# Altium PCB FPGA_SHIELD_MARK1_RA1_2.PcbDoc (part 1 of 4) (continued)
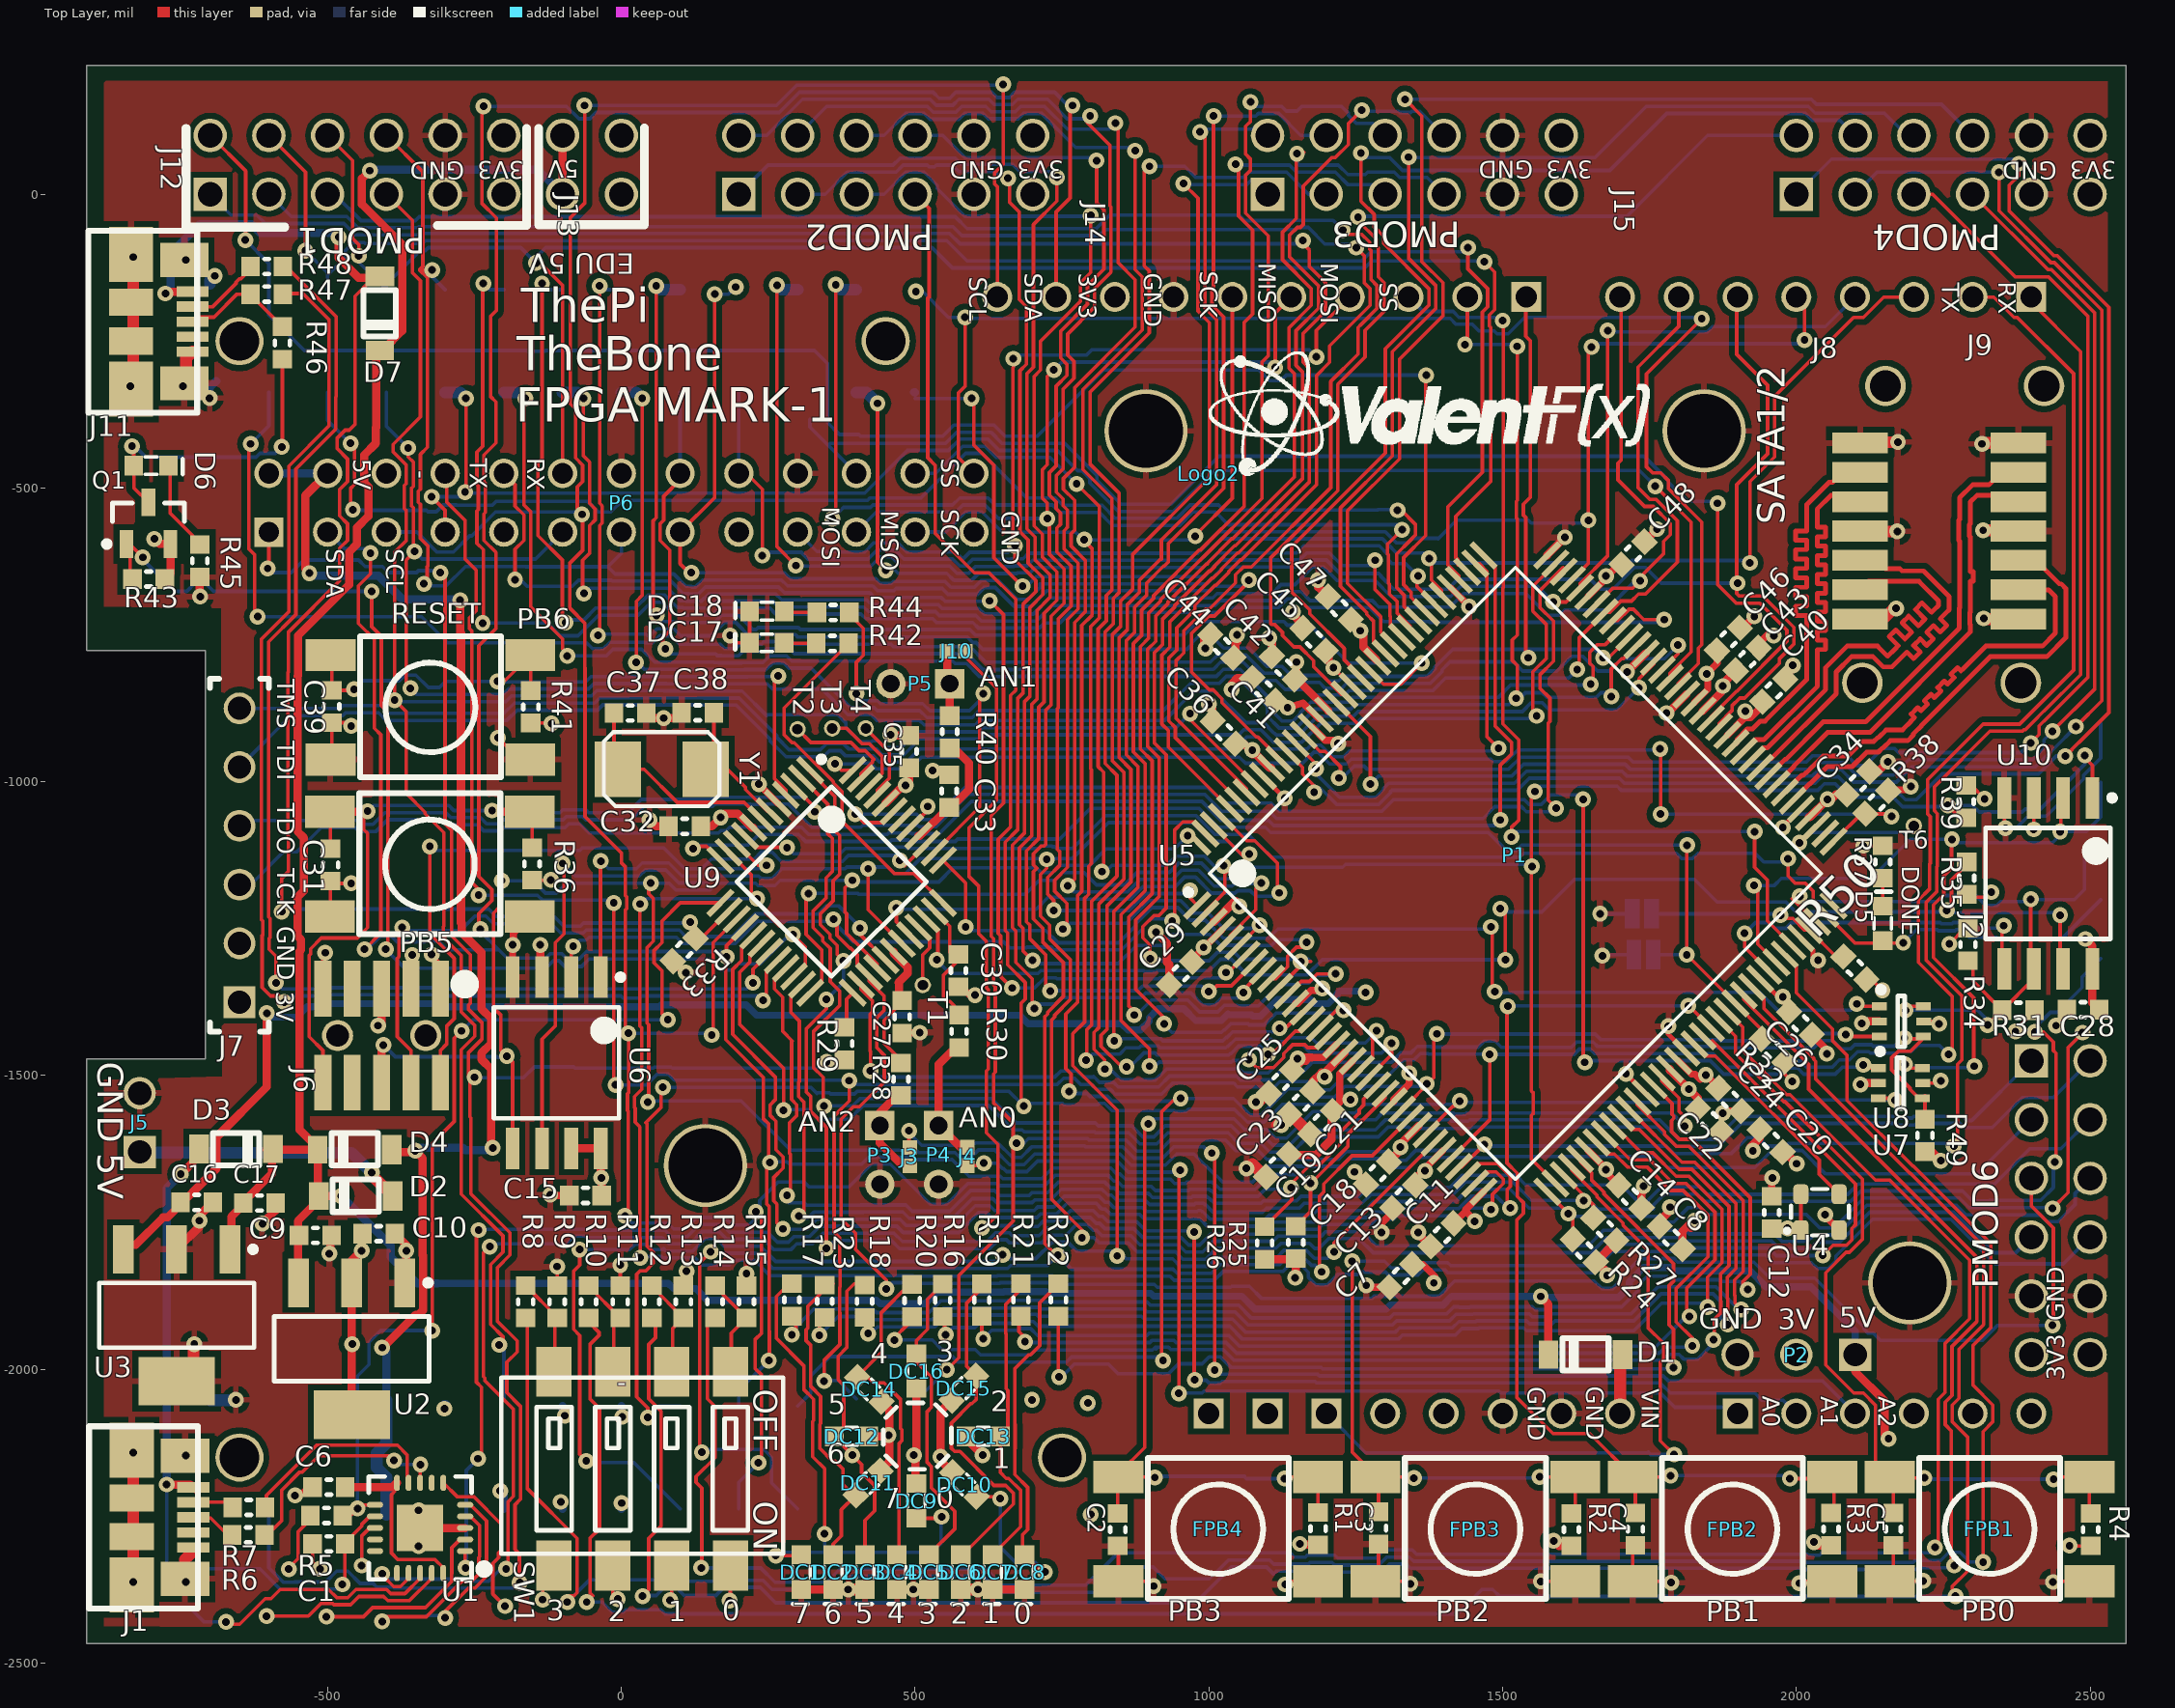
[diagram p0: Top Layer view]
## Footprints (in the part's own frame and the unit in brackets; to place one, negate y for a bottom-side part, rotate by r counter-clockwise, add the part's x,y. Pads: shape width x height; smd on the part's side, far side on the other; paste and mask are expansions set on the pad) (continued)
SOLDER_JUMPER [mil]
  round 50 smd: 1(0,0) 2(58,0)
  Top Layer region: 32.95,25 57.95,25 57.95,-25 32.95,-25
  Top Layer region: -0.05,25 24.95,25 24.95,-25 -0.05,-25
"SOLDER_JUMPER SMALL 2" [mil] "SOLDER_JUMPER"
  rect 25x25 smd: 1(0,15.5) 2(0,-15.5)
SOT223 [mm] "SOT223, 4-Leads, Body 6.7x7.3mm (max), Pitch 2.30mm, IPC High Density"
  rect 2.1x0.9 smd: 1(-2.85,2.3) 2(-2.85,0) 3(-2.85,-2.3)
  rect 2.1x3.3 smd: 4(2.85,0)
  silkscreen extent -2.97,-3.35 1.4,3.43, body extent -3.54,-3.35 3.76,3.35, height 1.75
SOT-23 [mm] "SOT-23"
  rect 1.2x0.6 smd: 1(-0.9,0.95) 2(-0.9,-0.95) 3(0.9,0)
  silkscreen extent -1.02,-1.55 0.87,1.92, body extent -1.27,-1.5 1.23,1.5, height 1.07
"tp 18-28" [mil]
  round 28 hole 18: 1(0,0)
TQ144_L [mm] "Thin QFP, 144-Leads, Body 20x20mm, Pitch 0.5mm, IPC High Density"
  rect 1.5x0.25 smd: 1(-10.7,8.75) 2(-10.7,8.25) 3(-10.7,7.75) 4(-10.7,7.25) 5(-10.7,6.75) 6(-10.7,6.25) 7(-10.7,5.75) 8(-10.7,5.25) 9(-10.7,4.75) 10(-10.7,4.25) 11(-10.7,3.75) 12(-10.7,3.25) 13(-10.7,2.75) 14(-10.7,2.25) 15(-10.7,1.75) 16(-10.7,1.25) 17(-10.7,0.75) 18(-10.7,0.25) 19(-10.7,-0.25) 20(-10.7,-0.75) 21(-10.7,-1.25) 22(-10.7,-1.75) 23(-10.7,-2.25) 24(-10.7,-2.75) 25(-10.7,-3.25) 26(-10.7,-3.75) 27(-10.7,-4.25) 28(-10.7,-4.75) 29(-10.7,-5.25) 30(-10.7,-5.75) 31(-10.7,-6.25) 32(-10.7,-6.75) 33(-10.7,-7.25) 34(-10.7,-7.75) 35(-10.7,-8.25) 36(-10.7,-8.75) 73(10.7,-8.75) 74(10.7,-8.25) 75(10.7,-7.75) 76(10.7,-7.25) 77(10.7,-6.75) 78(10.7,-6.25) 79(10.7,-5.75) 80(10.7,-5.25) 81(10.7,-4.75) 82(10.7,-4.25) 83(10.7,-3.75) 84(10.7,-3.25) 85(10.7,-2.75) 86(10.7,-2.25) 87(10.7,-1.75) 88(10.7,-1.25) 89(10.7,-0.75) 90(10.7,-0.25) 91(10.7,0.25) 92(10.7,0.75) 93(10.7,1.25) 94(10.7,1.75) 95(10.7,2.25) 96(10.7,2.75) 97(10.7,3.25) 98(10.7,3.75) 99(10.7,4.25) 100(10.7,4.75) 101(10.7,5.25) 102(10.7,5.75) 103(10.7,6.25) 104(10.7,6.75) 105(10.7,7.25) 106(10.7,7.75) 107(10.7,8.25) 108(10.7,8.75)
  rect 0.25x1.5 smd: 37(-8.75,-10.7) 38(-8.25,-10.7) 39(-7.75,-10.7) 40(-7.25,-10.7) 41(-6.75,-10.7) 42(-6.25,-10.7) 43(-5.75,-10.7) 44(-5.25,-10.7) 45(-4.75,-10.7) 46(-4.25,-10.7) 47(-3.75,-10.7) 48(-3.25,-10.7) 49(-2.75,-10.7) 50(-2.25,-10.7) 51(-1.75,-10.7) 52(-1.25,-10.7) 53(-0.75,-10.7) 54(-0.25,-10.7) 55(0.25,-10.7) 56(0.75,-10.7) 57(1.25,-10.7) 58(1.75,-10.7) 59(2.25,-10.7) 60(2.75,-10.7) 61(3.25,-10.7) 62(3.75,-10.7) 63(4.25,-10.7) 64(4.75,-10.7) 65(5.25,-10.7) 66(5.75,-10.7) 67(6.25,-10.7) 68(6.75,-10.7) 69(7.25,-10.7) 70(7.75,-10.7) 71(8.25,-10.7) 72(8.75,-10.7) 109(8.75,10.7) 110(8.25,10.7) 111(7.75,10.7) 112(7.25,10.7) 113(6.75,10.7) 114(6.25,10.7) 115(5.75,10.7) 116(5.25,10.7) 117(4.75,10.7) 118(4.25,10.7) 119(3.75,10.7) 120(3.25,10.7) 121(2.75,10.7) 122(2.25,10.7) 123(1.75,10.7) 124(1.25,10.7) 125(0.75,10.7) 126(0.25,10.7) 127(-0.25,10.7) 128(-0.75,10.7) 129(-1.25,10.7) 130(-1.75,10.7) 131(-2.25,10.7) 132(-2.75,10.7) 133(-3.25,10.7) 134(-3.75,10.7) 135(-4.25,10.7) 136(-4.75,10.7) 137(-5.25,10.7) 138(-5.75,10.7) 139(-6.25,10.7) 140(-6.75,10.7) 141(-7.25,10.7) 142(-7.75,10.7) 143(-8.25,10.7) 144(-8.75,10.7)
  silkscreen extent -10.7,-9.35 9.35,9.55, body extent -11.01,-11.01 11.02,11.02, height 1.6
"TSM-113-01-F-DV_TH - SHRUNK" [mil]
  rect 50x105 smd: 1(-600,97.5) 2(-600,-97.5) 3(-500,97.5) 4(-500,-97.5) 23(500,97.5) 24(500,-97.5) 25(600,97.5) 26(600,-97.5)
  rect 50x125 smd: 5(-400,87.5) 6(-400,-87.5) 7(-300,87.5) 8(-300,-87.5) 9(-200,87.5) 10(-200,-87.5) 11(-100,87.5) 12(-100,-87.5) 13(0,87.5) 14(0,-87.5) 15(100,87.5) 16(100,-87.5) 17(200,87.5) 18(200,-87.5) 19(300,87.5) 20(300,-87.5) 21(400,87.5) 22(400,-87.5)
  round 82 hole 67: x(-550,0) x(550,0)
  silkscreen extent -677,-98 650,136, body extent -650,-145 650,145, height 380
"TSM-116-01-F-DV_TH - SHRUNK" [mil] "Samtec"
  rect 50x105 smd: 1(-750,97.5) 2(-750,-97.5) 3(-650,97.5) 4(-650,-97.5) 29(650,97.5) 30(650,-97.5) 31(750,97.5) 32(750,-97.5)
  rect 50x125 smd: 5(-550,87.5) 6(-550,-87.5) 7(-450,87.5) 8(-450,-87.5) 9(-350,87.5) 10(-350,-87.5) 11(-250,87.5) 12(-250,-87.5) 13(-150,87.5) 14(-150,-87.5) 15(-50,87.5) 16(-50,-87.5) 17(50,87.5) 18(50,-87.5) 19(150,87.5) 20(150,-87.5) 21(250,87.5) 22(250,-87.5) 23(350,90) 24(350,-90) 25(450,90) 26(450,-90) 27(550,90) 28(550,-90)
  round 82 hole 67: x(-700,0) x(700,0)
  silkscreen extent -822,-98 800,141, body extent -800,-145 800,145, height 380
TSQFP50P900X900X145-48L [mm] "TSQFP, 48-Leads, Body 9.1x9.1mm (max), Pitch 0.50mm, IPC High Density"
  rect 1.5x0.25 smd: 1(-4.05,2.75) 2(-4.05,2.25) 3(-4.05,1.75) 4(-4.05,1.25) 5(-4.05,0.75) 6(-4.05,0.25) 7(-4.05,-0.25) 8(-4.05,-0.75) 9(-4.05,-1.25) 10(-4.05,-1.75) 11(-4.05,-2.25) 12(-4.05,-2.75) 25(4.05,-2.75) 26(4.05,-2.25) 27(4.05,-1.75) 28(4.05,-1.25) 29(4.05,-0.75) 30(4.05,-0.25) 31(4.05,0.25) 32(4.05,0.75) 33(4.05,1.25) 34(4.05,1.75) 35(4.05,2.25) 36(4.05,2.75)
  rect 0.25x1.5 smd: 13(-2.75,-4.05) 14(-2.25,-4.05) 15(-1.75,-4.05) 16(-1.25,-4.05) 17(-0.75,-4.05) 18(-0.25,-4.05) 19(0.25,-4.05) 20(0.75,-4.05) 21(1.25,-4.05) 22(1.75,-4.05) 23(2.25,-4.05) 24(2.75,-4.05) 37(2.75,4.05) 38(2.25,4.05) 39(1.75,4.05) 40(1.25,4.05) 41(0.75,4.05) 42(0.25,4.05) 43(-0.25,4.05) 44(-0.75,4.05) 45(-1.25,4.05) 46(-1.75,4.05) 47(-2.25,4.05) 48(-2.75,4.05)
  silkscreen extent -4.17,-2.9 2.9,3.55, body extent -4.5,-4.5 4.5,4.5, height 1.4
"USB - 47346-0001" [mm]
  rect 0.45x1.38 smd: 1(-1.3,1.33) 2(-0.65,1.33) 3(0,1.33) 4(0.65,1.33) 5(1.3,1.33)
  rect 2.375x1.9 smd: 5(-2.913,-1.33) 5(2.913,-1.33)
  rect 1.475x2.1 smd: 5(-2.662,0.97) 5(2.662,0.97)
  rect 1.175x1.9 smd: 5(-0.837,-1.33) 5(0.837,-1.33)
  silkscreen extent -3.94,-3.18 3.94,1.52, body extent -3.99,-3.92 3.99,1.51, height 2.72
ValentFX_750 [mil]
  silkscreen extent 0,-3 750,207
ValentFX_1000 [mil]
  silkscreen extent -25,-28 975,252

## Part data
C1 C2 C3 C4 C5 C6 C9 C12 C15 C17 C27 C28 C30 C31 C32 C33 C35 C39: library part GRM188R71H104KA93D, "CAP CER .1UF 50V 10% X7R 0603"
C7 C8 C10 C11 C16 C18 C19 C20 C21 C22 C24 C29 C36 C43 C44 C48: library part GRM188R60J475KE19D, "CAP CER 4.7UF 6.3V X5R 0603"
C13 C14 C23 C25 C26 C34 C40 C41 C42 C45 C46 C47: library part GCM188R71E474KA64D, "CAP CER .47UF 25V X7R 0603"
C37 C38: library part GRM1885C1H180JA01D, "CAP CER 18PF 50V 5% C0G 0603"
D1 D2 D3 D4 D7: "DIODE SCHOTTKY 25V 1A SOD123"
D5 D6 DC1 DC2 DC3 DC4 DC5 DC6 DC7 DC8 DC9 DC10 DC11 DC12 DC13 DC14 DC15 DC16 DC17 DC18: library part APT1608CGCK, "LED 1.6X0.8MM 570NM GRN CLR SMD"
FPB1 FPB2 FPB3 FPB4 PB5 PB6: library part FSM4JSMATR, "SWITCH TACTILE SPST-NO 0.05A 12V"
J1 J11: library part "USB - 0473460001", "Micro B CONN RCPT 5POS MICRO B USB R/A"
J2 J13 J14 J15: library part "P-MOD - SSQ-106-02-G-D-RA-005", "SAMTEC - SSQ-106-02-G-D-RA-005 - 2MM SOCKET STRIPS"
J3 J4 J10 J16 J17: "Solder/Configuration Jumper"
J5 P3 P4 P5: library part Header2, "Header 2 pin"
J6: library part "Cortex SWD  Connector", "Cortex SWD Connector"
J7: library part "JTAG - Digilent HS1", "DIGILENT - 410-205 - PROGRAMMING CABLE, JTAG HS1, USB2"
J8 J9: library part "SATA - 67800-5005", "I/O Connectors 7Ckt Vert Signal Hdr SMT w/ locking latch"
J12: library part "P-MOD - SSQ-108-02-G-D-RA-005", "SAMTEC - SSQ-108-02-G-D-RA-005 - 2MM SOCKET STRIPS"
P1: library part "Arduino Shield", "Arduino Duem Header"
P2: "Header  pin"
P7 P9: "Header 6 pin"
Q1: "MOSFET P-CH 30V 900MA SSOT3"
R1 R2 R3 R4 R8 R9 R10 R11 R12 R13 R14 R15: library part "R0603 - CRCW06034K70FKEA", "4.7k Thick Film Resistors - SMD 1/10watt 4.7Kohms 1%"
R5 R24 R25 R26 R27 R28 R29 R30 R32 R33 R35 R36 R38 R39 R40 R41 R43 R49 R50: library part ERJ-3EKF1002V, "RES 10.0K OHM 1/10W 1% 0603 SMD"
R6 R7 R47 R48: library part ERJ-3EKF33R0V, "RES 33.0 OHM 1/10W 1% 0603 SMD"
R16 R17 R18 R19 R20 R21 R22 R23 R37 R42 R44 R45: library part ERJ-3EKF2000V, "RES 200 OHM 1/10W 1% 0603 SMD"
R31 R34: library part "R0603 - CRCW0603100RFKEA", "100 ohms 1% Thick Film Resistors - SMD 1/10watt"
R46: library part ERJ-3EKF1501V, "RES 1.50K OHM 1/10W 1% 0603 SMD"
SW1: library part "DIP SW - 219-4LPST", "SWITCH TAPE SEAL 4 POS SMD"
T1 T2 T3 T4 T6: library part "Test Point 2", "Test Point Smaller Symbol"
U1: library part "USB - FT231XQ-R", "IC USB SERIAL FULL UART QFN-20 ftdi"
U2: "IC REG LDO 3.3V 950MA SOT-223"
U3: "IC LDO REG 1A 1.2V SOT223-3"
U4: "OSC MEMS 50.000 MHZ SMD"
U5: "IC FPAG SPARTAN 6 9K 144TQFP"
U6 U10: library part M25PE16-VMW6TG, "IC FLASH 16MBIT 75MHZ 8SOIC"
U7 U8: library part "MUX - SN74AUP1T157DCKR", "IC BUFF/MUX SCHMITT-TRIG SC70-6"
U9: "IC MCU 32BIT 32KB FLASH 48LQFP"
Y1: library part ABM3-12.000MHZ-B2-T, "CRYSTAL 12.000MHZ 18PF SMD"

## Free pads (board coordinates)
  round 141.73 hole 125.98: M3(2193.01,-1852.99) M4(143.01,-1652.99) M5(893.01,-402.99) M6(1843.01,-402.99)

## Via types
v1: diameter 27, hole 13, Top Layer to Bottom Layer, 574 vias
v2: diameter 27, hole 13, Top Layer to Bottom Layer, tented both sides, 17 vias

## Nets (pads, with @x,y where several pads share a name; then routed paths per layer and width w, separated by ;. In a path a pad name is that pad's centre, name@x,y a point inside that pad or via, vN(x,y) a via of type N, cw(c..) or ccw(c..) an arc to the next point about the centre after c; other vN are vias at no path point)
1V2: C16.2 C18.2 C22.2 C23.2 C42.2 C43.2 U3.3 U5.19 U5.28 U5.52 U5.89 U5.128 | length 3714.8
  Top Layer w14: U3.3@-844,-1788 -826.64,-1788 -780.1,-1741.46 -772.46,-1741.46 -689.26,-1658.26 -689.26,-1604.76 -603.5,-1519 v1(-603.5,-1393.83) ; v1(1148.98,-796.39) 1148.98,-823 C42.2@1146.49,-825.49 1149.81,-825.49 U5.128@1203.25,-878.92 ; C23.2@1176.49,-1526.51 1176.49,-1510.24 1191.73,-1495 v1@1194.73,-1498 ; v1(1197,-1502) 1197,-1500.27 v1@1194.73,-1498 ; U5.19@1231.08,-1460.84 1231.08,-1461.64 v1@1194.73,-1498 ; C18.2@1306.49,-1646.51 1326,-1627 v1@1326,-1616.47 ; v1(1326,-1622) v1@1326,-1616.47 ; U5.28@1356.36,-1586.11 v1@1326,-1616.47 ; U5.52@1785.08,-1488.67 1785.08,-1491.17 v1(1817,-1523.09) 1832.51,-1538.6 C22.2@1832.51,-1556.51 ; U5.89@1840.76,-879 1873,-846.76 v1@1873,-837.25 ; v1@1873,-837 v1@1873,-834.95 ; v1(1875,-837) 1873.25,-837 v1@1873,-837.25 ; C43.2@1897.04,-810.91 v1@1873,-834.95 ; v1@1873,-837.25 v1@1873,-834.95
  VDD w20: v1(1148.98,-796.39) 1148.98,-820.7 1197,-868.72 1218.06,-868.72 1272.84,-923.5 ; v1(1197,-1502) 1235.86,-1463.14 1235.86,-1426.76 1269.71,-1392.91 ; v1(1326,-1622) 1397.5,-1550.5 1397.5,-1531.09 1410.83,-1517.76 1410.83,-1490.61 ; 1739.57,-1447.5 1741.41,-1447.5 v1(1817,-1523.09) ; 1800.41,-953.94 1800.41,-920.21 1875,-845.63 v1(1875,-837)
  Bottom Layer w12: v1(-603.5,-1393.83) -596.83,-1400.5 -552.5,-1400.5 -535,-1383 -505.42,-1383 -499.92,-1377.5 -316.08,-1377.5 -310.47,-1383.12 64.82,-1383.12 68.44,-1379.5 212.44,-1379.5 230.44,-1397.5 678.44,-1397.5 692.44,-1411.5 851.44,-1411.5 862.44,-1422.5 883.56,-1422.5 898.5,-1407.56 898.5,-1401.44 913.44,-1386.5 957.5,-1386.5 977.5,-1406.5 1021.56,-1406.5 1032.66,-1395.39 1033.77,-1396.5 1072.64,-1396.5 1075,-1398.86 1088.07,-1398.86 1116.43,-1370.5 1173.07,-1370.5 1180.07,-1377.5 1203.56,-1377.5 1218.5,-1362.56 1218.5,-1360.56 1222.83,-1356.24 1269.32,-1356.24 1267.06,-1358.5 v1(1267,-1358.5)
  Bottom Layer w14: v1@1268,-1353.37 v1@1273.63,-1359
3V3: C7.2 C8.2 C10.2 C11.2 C12.2 C13.2 C14.2 C15.2 C19.2 C20.2 C21.2 C24.2 C25.2 C26.2 C28.1 C29.2 C32.2 C34.2 C35.2 C36.2 C40.2 C41.2 C44.2 C45.2 C46.2 C47.2 C48.2 J2.6 J2.12 J6.1 J7.1 J12.6 J12.12 J13.6 J13.12 J14.6 J14.12 J15.6 J15.12 P1.A2 P1.D8 P2.2 Q1.2 R1.1 R2.1 R3.1 R4.1 R5.1 R24.2 R25.2 R26.2 R27.2 R31.1 R32.1 R35.2 R36.1 R39.2 R41.1 R43.2 R49.1 R50.1 SW1.B1 SW1.B2 SW1.B3 SW1.B4 U2.2 U2.4 U4.1 U4.4 U5.4 U5.18 U5.20 U5.31 U5.36 U5.42 U5.53 U5.63 U5.76 U5.86 U5.90 U5.103 U5.122 U5.125 U5.129 U5.135 U6.3 U6.7 U6.8 U7.5 U8.5 U9.8 U9.44 U10.3 U10.8 | length 4110.2
  Top Layer w6: v1@-567,-2339 v1(-566,-2340) -566,-2338 -550.31,-2322.31 -550.31,-2276.6 -525.56,-2251.85 R5.1@-525.56,-2248.78 ; v1@-319.5,-1289 -323,-1292.5 v1(-323,-1293.86) -308,-1308.86 J6.1@-308,-1352 ; R41.1@-154,-900 -120,-900 v1(-119,-901) ; R36.1@-152,-1167.56 -120.56,-1167.56 v1(-120,-1167) ; v1(-134,-2392) -134,-2353.5 SW1.B4@-114.5,-2334 ; SW1.B3@-14.5,-2334 -14.5,-2382.56 v1(-6.06,-2391) ; v1(83,-2393) 85.5,-2390.5 SW1.B2@85.5,-2334 ; v1(184,-2393.55) 185.5,-2392.05 SW1.B1@185.5,-2334 ; v2(1212,-806) 1243.25,-837.25 U5.125@1245,-837.25 ; R32.1@1980,-1476.49 1980,-1497 v1(1993,-1510) ; C26.2@1987.51,-1391.51 C26.2@1993.52,-1385.5 ; U4.1@2007.79,-1763 U4.4@2007.79,-1701.98 ; R50.1@2119.07,-1336.49 2128.17,-1336.49 v1(2146.68,-1355) 2147.39,-1355 v1@2147.51,-1354.88 ; U7.5@2215.39,-1513 2242,-1513 v1(2246,-1509) ; U8.5@2216.9,-1408 2239,-1408 v1(2243,-1412) v1@2247,-1408 ; R39.2@2289,-1006.44 2297.94,-1006.44 v1(2320.5,-1029) ; R35.2@2302,-1196.56 2323.28,-1196.56 v1(2332,-1187.84) ; v1(2373,-1425.23) v1@2373,-1425 ; v1@2377,-1421 v1@2373,-1425 ; v1(2404,-1081) U10.3@2404,-1027.33 ; R31.1@2405.56,-1389 2373,-1421.56 v1@2373,-1425 ; v1(2465,-2300) 2465.56,-2300.56 R4.1@2501,-2300.56
  Top Layer w8: U5.63@1938.19,-1335.56 v2@1968.63,-1366
  Top Layer w12: C29.2@967.29,-1306 968.34,-1306 971.49,-1302.85 U5.4@1022.29,-1252.04 ; C41.2@1113.49,-853.49 v2(1134,-874) 1160.46,-866 1187.38,-892.92 U5.129@1189.33,-892.92 ; 1175.41,-1469.35 1194.73,-1469.35 U5.18@1217.17,-1446.92 ; C21.2@1211.49,-1556.51 1222.56,-1545.44 ; C45.2@1211.49,-775.49 1205,-781.98 1205,-799 v2(1212,-806) v2@1213,-805 ; 1222.56,-1541 1222.56,-1545.44 ; U5.20@1245,-1474.76 1222.56,-1497.19 1222.56,-1545.44 ; C7.2@1346.49,-1821.51 1364.51,-1821.51 1376,-1833 ; C13.2@1348.26,-1683 1348,-1683 1348,-1677.98 U5.31@1398.12,-1627.87 1365.99,-1659.99 v1@1368,-1658 ; C13.2@1351.49,-1686.51 1351.49,-1674.51 v1@1368,-1658 ; v1(1368,-1662) v1@1368,-1658 ; v1@1370.49,-1655.5 v1@1368.18,-1657.81 ; 1376,-1832 1376,-1833 ; v1(1383,-1853) 1383,-1844 1385,-1842 1376,-1833 ; C11.2@1416.49,-1751.51 1437,-1731 ; v1(1452.63,-1747.95) 1452.63,-1746.63 1437,-1731 ; U5.36@1467.71,-1697.47 1437,-1728.18 1437,-1731 ; U5.42@1645.88,-1627.87 v1@1676,-1658 ; U5.103@1645.88,-684.13 1677,-653.01 v2@1677,-651 ; v1(1676,-1660) 1676,-1665 C14.2@1697.51,-1686.51 ; v2(1676,-650) v2@1677,-651 ; C48.2@1702.51,-630.49 1697.51,-630.49 v2@1677,-651 ; U5.53@1799,-1474.76 1821.83,-1497.59 1827.56,-1497.59 1835.97,-1506 v2@1837,-1506 ; U5.90@1826.84,-865.08 1849.27,-842.64 1849.27,-818.19 v1(1847.33,-816.25) 1865.04,-798.54 C46.2@1865.04,-776.91 ; v2@1845,-1498 C24.2@1867.51,-1520.51 ; v2(1846,-1499) C24.2@1867.51,-1520.51 ; C24.2@1867.51,-1521.51 C24.2@1867.51,-1520.51 ; U5.86@1882.51,-920.76 1912.27,-891 1922,-891 ; v2(1913,-880) 1923,-890 1922,-891 ; C40.2@1937.04,-863.9 C40.2@1942.04,-863.9 ; C40.2@1942.51,-870.49 1922,-891 ; C12.2@1958,-1760.56 1984.44,-1760.56 v1(1985,-1760) ; v2(1977,-1366) 1972,-1366 1987.51,-1381.51 C26.2@1987.51,-1391.51 ; v1@1368,-1658 v1@1368.18,-1657.82 ; v1@1368,-1657.99 v1@1368.18,-1657.81
  Top Layer w14: v1(-795,-586.55) -786.12,-595.43 Q1.2@-767.6,-595.43 -767.6,-645.61 R43.2@-776.99,-655 ; U2.2@-460,-1860 -459,-1861 v1@-459,-1958 ; U2.4@-459,-2077.2 v1@-459,-1958 ; U2.2@-459,-1852.8 -459,-1815 v1(-442,-1798) C10.2@-442,-1771 ; v1(-458,-1957) v1@-459,-1958 ; v1(-138,-1277.7) -138,-1329.75 U6.3@-135,-1332.75 ; U6.7@-85,-1624.09 U6.8@-35,-1624.09 -35,-1673 v1@-33.44,-1674.56 ; v1(-34,-1674) v1@-33.44,-1674.56 ; C15.2@-33.44,-1704 v1@-33.44,-1674.56 ; C32.2@135.56,-1076 153.69,-1076 v1(169,-1060.69) 175.16,-1054.53 198.34,-1054.53 221.78,-1077.97 U9.8@224.27,-1077.97 ; U9.44@449.77,-1036.21 479.78,-1006.2 v1(484,-1006.2) 490,-1000.2 C35.2@490,-976.24 ; C29.2@971.49,-1306.51 C29.2@971.49,-1302.85 ; C44.2@1045,-776 1045,-765.3 1048.3,-762 1048,-761.7 v1(1048,-750) ; C36.2@1045.49,-935.35 1059.67,-935.35 1070.32,-946 v1(1074,-946) 1074.32,-946.32 v1@1074.32,-950 ; v1@1074.32,-953 1079.87,-953 1103.31,-976.44 U5.135@1105.81,-976.44 ; R25.2@1095,-1812.56 1147,-1812.56 R26.2@1148,-1811.56 1148,-1843 v1(1147,-1844) ; C19.2@1136.49,-1633.51 1138.43,-1635.46 1182.1,-1635.46 1208.48,-1609.07 1208.48,-1563.52 C21.2@1211.49,-1560.51 ; C25.2@1141.49,-1491.51 1158.06,-1474.94 1165.12,-1474.94 1160.18,-1470 1150,-1470 v1(1151,-1471) ; v1@1154,-2294 v1@1156,-2296 ; v1(1155,-2297) 1156.56,-2298.56 R1.1@1186,-2298.56 ; v1@1161.59,-1471.41 1163.65,-1469.35 1175.41,-1469.35 ; C47.2@1241.49,-724.17 1241.49,-727.45 v1@1263.32,-749.29 ; v1@1258,-743.97 v1@1258,-749 ; v1(1258,-743) v1@1258,-749 ; U5.122@1285.48,-792.99 1263.32,-770.83 v1@1263.32,-749.29 ; v1@1587,-2297 v1(1587,-2292) 1595.56,-2300.56 R2.1@1617,-2300.56 ; v2(1678,-1840) 1682,-1840 1682,-1839 1660.49,-1817.49 R24.2@1658.49,-1817.49 1693.55,-1782.43 R27.2@1693.55,-1781.01 ; C8.2@1767.51,-1756.51 1767.51,-1747.49 1788,-1727 v1(1785,-1724) ; v1(1926,-1628) 1921,-1623 1937.51,-1606.49 C20.2@1937.51,-1591.51 ; U5.76@2021.71,-1059.96 2023.04,-1059.96 v1(2053,-1030) 2059.06,-1030 2067.57,-1021.49 C34.2@2085.51,-1021.49 ; v1(2030,-2294) 2035.56,-2299.56 R3.1@2059,-2299.56 ; R49.1@2219,-1622.79 2223.79,-1622.79 v1(2246,-1645) v1@2250.76,-1640.24 ; v1(2492,-1267.5) 2504,-1279.5 U10.8@2504,-1318.67 2504,-1376.44 C28.1@2515.56,-1388 ; U10.8@2500,-1345.13 U10.8@2500,-1288.32 ; v1@1258,-749 1263.03,-749 v1@1263.32,-749.29
  other v1: 1241,-1541 991.09,-1281.98
+5V_RP: D4.2 P6.2 P6.4 P28.7 P28.8 | length 2380.9
  Top Layer w14: v1(-531,-645) -538,-638 -538,-513 P6.4@-500,-475 ; v1@-406,-1963 -350.13,-1907.13 -345.35,-1907.13 -337.73,-1899.52 -337.73,-1806.07 -338,-1805.8 -338,-1641 v1(-351,-1628) v1@-350,-1629 ; D4.2@-391.01,-1626 -387.01,-1630 v1@-351,-1630 ; v1(-274.5,-691) -274.5,-745.95 -273,-747.45 -273,-1240 ; -272,-1240 -272,-1256.48 -238.07,-1290.41 -238.07,-1386.51 -221.5,-1403.08 -221.5,-1444.92 -238.07,-1461.49 -238.07,-1472.56 -221.28,-1489.35 -221.28,-1620.72 v1(-219,-1623)
  Bottom Layer w14: P6.2@-600,-475 P6.4@-500,-475 ; v1(-531,-645) -526.5,-649.5 -413.02,-649.5 -372.87,-689.65 -275.85,-689.65 v1(-274.5,-691) ; v1(-407,-1963) -400,-1970 P28.8@-400,-2052.5 ; v1@-353,-1623 -270,-1623 -266,-1627 v1@-224,-1627 ; v1@-351,-1630 v1(-351,-1628)
  Bottom Layer w20: P28.7@-400,-2247.5 -400,-2183.72 -416.5,-2167.22 -416.5,-2142.78 -400,-2126.28 P28.8@-400,-2052.5
+5V_USB: D7.2 J11.1 R33.2 U9.14 | length 2542.5
  Top Layer w6: v1(-578,-1221) -578,-1164 -567,-1153 -567,-1091.43 -567.5,-1090.93 -567.5,-813.5 -566.5,-812.5 -566.5,-744.91 -479.5,-657.91 -479.5,-602.58 -466,-589.08 -466,-560.92 -479.5,-547.42 -479.5,-502.58 -466,-489.08 -466,-450.82 -483.5,-433.32 -483.5,-414.68 -470.32,-401.5 -463.33,-401.5 -453.42,-391.58 -453.42,-173.42 D7.2@-426,-146 ; v1(117,-1239) 126.49,-1248.49 R33.2@126.49,-1266.2 136.26,-1266.2 U9.14@182.52,-1219.95
  Top Layer w14: v1(-776,-169) -772.82,-165.82 J11.1@-729.64,-165.82 ; v1(-481,-73) -481,-108.48 -447.48,-142 D7.2@-409,-142
  Bottom Layer w6: v1(-578,-1221) -573.5,-1216.5 -225.71,-1216.5 -212.69,-1229.52 -114.27,-1229.52 -98.29,-1245.5 -69.71,-1245.5 -64.71,-1240.5 115.5,-1240.5 v1(117,-1239)
  Bottom Layer w14: v1(-776,-169) -767.5,-160.5 -767.5,-101.02 -717.98,-51.5 -629.02,-51.5 -614.52,-66 -488,-66 v1(-481,-73)
+5V_USB_FTDI: C1.2 D3.2 J1.1 U1.12 | length 1239.4
  Top Layer w6: v1(-475,-2366) -470.44,-2361.44 C1.2@-470.44,-2297.06 -470.44,-2295.28 -442.11,-2266.95 -442.11,-2264.23 -428.19,-2250.31 U1.12@-419.33,-2250.31
  Top Layer w14: v1(-774,-2196) -733.46,-2196 J1.1@-728.64,-2200.82 J1.1@-725.46,-2204 ; v1(-750,-1668) -725,-1643 D3.2@-725,-1627
  Bottom Layer w6: v1(-774,-2196) -774,-2332 -766.5,-2339.5 -615.29,-2339.5 -580.29,-2374.5 -551.71,-2374.5 -551.21,-2374 -527.29,-2374 -482,-2374 v1@-476,-2368
  Bottom Layer w14: v1(-774,-2196) -774,-1692 v1(-750,-1668)
AN0: J4.2 P1.B1 | length 1739.7
  Top Layer w6: J4.2@589,-1653.18 612.82,-1653.18 v1(617,-1649) ; v1(949,-2041) v1@949,-1665
  Top Layer w14: v1@949,-1665 949,-1659 v1(951,-1661)
  Bottom Layer w6: v1(617,-1649) 639.64,-1649 648.9,-1658.26 650.5,-1658.26 655.74,-1663.5 690.26,-1663.5 708.26,-1645.5 843.83,-1645.5 862.83,-1664.5 947.5,-1664.5 v1(951,-1661) ; v1(949,-2041) 949.5,-2040.5 988.61,-2040.5 992.11,-2037 1494,-2037 1497,-2040 1768.24,-2040 1792.74,-2064.5 1889.5,-2064.5 P1.B1@1900,-2075
AN1: J10.2 P1.B2 | length 3020.2
  Top Layer w6: J10.2@585.5,-788 585.82,-788 638.5,-840.68 638.5,-1031.48 592,-1077.98 592,-1161.47 608.44,-1177.91 608.44,-1259.02 621.21,-1271.79 621.21,-1350.39 624.5,-1353.68 624.5,-1489.05 621.28,-1492.28 621.28,-1597.28 641,-1617 641,-1736 617,-1760 v1@613,-1756 ; v1(614,-1759) 611,-1756 v1@613,-1756 ; v1@615,-1758 v1@613,-1756 ; v1@975,-2018 v1(975,-1766) 975,-2019.71 976,-2020.71 v1(976,-2018)
  Bottom Layer w6: v1(614,-1759) 611,-1756 611.5,-1755.5 665.26,-1755.5 666.76,-1757 709.27,-1757 718.77,-1747.5 746.74,-1747.5 764.74,-1729.5 803.26,-1729.5 813.26,-1739.5 819.03,-1739.5 828.03,-1748.5 877.23,-1748.5 892.73,-1764 973,-1764 v1(975,-1766) ; v1(976,-2018) 976,-2020.71 976.29,-2021 978.79,-2018.5 995.68,-2018.5 1000.68,-2023.5 1019.32,-2023.5 1022.32,-2020.5 1180.56,-2020.5 1183.06,-2023 1768.21,-2023 1769.68,-2024.47 1785.71,-2040.5 1929.23,-2040.5 1941.23,-2052.5 1977.5,-2052.5 P1.B2@2000,-2075
AN2: J3.2 P1.B3 | length 2089.1
  Top Layer w6: v1(489.58,-1594) 489.58,-1621.08 J3.2@491,-1622.5 ; v1(1005,-1632) 1010,-1637 v1(1010,-2001)
  Bottom Layer w6: v1(489.58,-1594) 489.58,-1597.3 511.27,-1619 598.21,-1619 602.71,-1614.5 640.68,-1614.5 665.68,-1639.5 680.32,-1639.5 698.32,-1621.5 727.53,-1621.5 729.53,-1619.5 789.03,-1619.5 791.03,-1621.5 853.77,-1621.5 872.77,-1640.5 921.23,-1640.5 940.23,-1621.5 991.5,-1621.5 v1@1003.5,-1633.5 ; v1(1010,-2001) 1017.5,-2008.5 1185.53,-2008.5 1188.03,-2011 1773.18,-2011 1781.68,-2019.5 2044.5,-2019.5 P1.B3@2100,-2075
ARD_SS: P1.D3 U5.67 | length 1712.1
  Top Layer w6: v1(1500,-215) 1501.07,-216.07 1501.07,-669.6 1500.5,-670.18 1500.5,-901.71 1527.5,-928.71 1527.5,-1065.32 1515,-1077.82 v1(1515,-1094) ; v1(1929,-1085) 1929,-1145.67 1950.51,-1167.18 1950.51,-1217.67 ; 1950.51,-1236.53 U5.67@1993.87,-1279.88 ; 1950.5,-1236.51 1950.5,-1217.68
  Bottom Layer w6: P1.D3@1340,-175 1364.5,-199.5 1415.71,-199.5 1425.71,-209.5 1439,-209.5 1494.5,-209.5 v1(1500,-215) ; v1(1515,-1094) 1524,-1085 v1(1929,-1085)
CS_FPGA_FLASH: R39.1 U5.38 U9.24 U10.1 | length 3309.5
  Top Layer w6: v1(318.81,-1190.19) 314.5,-1194.5 314.5,-1259.74 341.15,-1286.39 341.15,-1339.7 U9.24@321.71,-1359.14 ; v1(1555,-1016.5) 1549,-1022.5 1549,-1526.18 1552.5,-1529.68 1552.5,-1564.32 1549,-1567.82 1549,-1642.34 U5.38@1590.21,-1683.55 ; v1(2257.75,-1040.24) 2279.06,-1061.56 R39.1@2289,-1061.56 ; v1(2491,-955) 2491,-959 2504,-972 U10.1@2504,-1027.33
  Bottom Layer w6: v1(318.81,-1190.19) 402.32,-1190.19 403.63,-1191.5 687.47,-1191.5 711.47,-1167.5 737.68,-1167.5 750.68,-1154.5 787.68,-1154.5 808.68,-1175.5 856.86,-1175.5 878.1,-1154.26 932.98,-1154.26 948.74,-1138.5 987.26,-1138.5 1014.26,-1165.5 1034.32,-1165.5 1036.82,-1163 1037.97,-1163 1055.47,-1145.5 1227.5,-1145.5 1232.5,-1140.5 1546.5,-1140.5 v1(1550,-1144) ; v1(1555,-1016.5) 1564,-1007.5 1695.18,-1007.5 1702.18,-1014.5 2036.68,-1014.5 2047.68,-1003.5 2066.32,-1003.5 2089.32,-1026.5 2164.71,-1026.5 2180.71,-1042.5 2255.49,-1042.5 v1(2257.75,-1040.24) 2299.92,-1040.24 2311.18,-1051.5 2384.71,-1051.5 2389.71,-1046.5 2415.5,-1046.5 2477,-985 2477,-984.02 2491,-970.02 v1(2491,-955)
DIP_SW0: R14.1 U5.59 | length 3771
  Top Layer w6: v1(136,-2338) 137,-2337 137,-2202.14 127.18,-2192.32 127.18,-2182.64 159.5,-2150.32 159.5,-2063.23 146.5,-2050.23 146.5,-1925.34 R14.1@159.29,-1912.56 ; U5.59@1882.51,-1391.24 1908.68,-1417.4 1908.68,-1457.5 1983.68,-1532.5 1989.35,-1532.5 2134.92,-1678.07 2158.96,-1678.07 2295.01,-1814.12 2295.01,-1913.94 2253,-1955.95 2253,-2039.27 2241.5,-2050.77 2241.5,-2311.5 2241,-2312 2236,-2307 v1(2236,-2303)
  Bottom Layer w6: v1(136,-2338) 237.18,-2338 261.68,-2362.5 349.44,-2362.5 371.74,-2340.2 621.29,-2340.2 648.59,-2367.5 790.23,-2367.5 845.23,-2312.5 1138.68,-2312.5 1145.68,-2319.5 1164.32,-2319.5 1167.32,-2316.5 1214.68,-2316.5 1219.36,-2321.18 1284.09,-2321.18 1297.77,-2307.5 1346.23,-2307.5 1353.23,-2314.5 2018.68,-2314.5 2020.68,-2316.5 2039.32,-2316.5 2043.82,-2312 2227,-2312 v1(2236,-2303)
DIP_SW1: R12.1 U5.61 | length 3973.2
  Top Layer w6: v1(36,-2386) 46.5,-2375.5 46.5,-2287.77 67.5,-2266.77 67.5,-2071.23 46.5,-2050.23 46.5,-1957.77 58,-1946.27 58,-1918.7 R12.1@51.86,-1912.56 ; U5.61@1910.35,-1363.4 1910.35,-1370.14 2021,-1480.79 2021,-1523.14 2307.01,-1809.15 2307.01,-1918.91 2265,-1960.92 2265,-2044.24 2253.5,-2055.74 2253.5,-2094.26 2263.5,-2104.26 2263.5,-2328.5 v1(2269,-2334)
  Bottom Layer w6: v1@37,-2385 59.18,-2385 73.68,-2370.5 92.32,-2370.5 106.82,-2385 160.73,-2385 174.68,-2371.05 236.29,-2371.05 262.44,-2397.2 977.48,-2397.2 1038.18,-2336.5 1098.32,-2336.5 1109.82,-2348 1110.18,-2348 1114.68,-2343.5 1174.26,-2343.5 1176.76,-2341 1205.24,-2341 1209.42,-2345.18 1294.03,-2345.18 1307.71,-2331.5 1336.29,-2331.5 1343.29,-2338.5 2008.74,-2338.5 2010.74,-2340.5 2203.68,-2340.5 2206.68,-2337.5 2265.5,-2337.5 v1(2269,-2334)
DIP_SW2: R10.1 U5.62 | length 4127.7
  Top Layer w6: v1(-59,-2396) -48.36,-2385.36 -53.5,-2380.23 -53.5,-2287.77 -37.24,-2271.51 -37.24,-2066.49 -53.5,-2050.23 -53.5,-1957.77 -38,-1942.27 -38,-1937.27 -55.57,-1919.7 R10.1@-55.57,-1912.56 ; U5.62@1924.27,-1349.48 1944.84,-1370.05 1944.84,-1385.82 2029.5,-1470.48 2029.5,-1472.32 2033,-1475.82 2033,-1505.83 2193.48,-1666.31 2194.31,-1666.31 2319.01,-1791.01 2319.01,-1923.88 2277,-1965.89 2277,-2049.21 2265.5,-2060.71 2265.5,-2089.29 2291.5,-2115.29 2291.5,-2343.32 2265.5,-2369.32 2265.5,-2380.5 v1(2271,-2386)
  Bottom Layer w6: v1(-59,-2396) -32.88,-2396 -15.38,-2413.5 3.26,-2413.5 7.56,-2409.2 67.38,-2409.2 74.23,-2416.05 1423.33,-2416.05 1464.68,-2374.7 1483.32,-2374.7 1495.12,-2386.5 2221.32,-2386.5 2221.82,-2386 v1(2271,-2386)
DIP_SW3: R8.1 U5.66 | length 4265.3
  Top Layer w6: R8.1@-163,-1912.56 -159.8,-1915.76 -159.8,-2203.47 -75.5,-2287.77 -75.5,-2380.23 -80.77,-2385.5 v1@-92,-2385.5 ; U5.66@1979.95,-1293.8 2000,-1313.85 2000,-1359.29 2061.64,-1420.93 2061.64,-1440.82 2086.43,-1465.61 2086.43,-1542.28 2198.45,-1654.31 2199.28,-1654.31 2331.01,-1786.04 2331.01,-1928.85 2301,-1958.86 2301,-2027.21 2334.5,-2060.71 2334.5,-2089.29 2318,-2105.79 v1(2318,-2328)
  Bottom Layer w6: v1@-88,-2391 -92,-2395 v1(-92,-2396) -54.5,-2358.5 97.29,-2358.5 99.29,-2360.5 168.26,-2360.5 169.71,-2359.05 241.26,-2359.05 256.71,-2374.5 354.41,-2374.5 376.71,-2352.2 616.32,-2352.2 643.62,-2379.5 821.68,-2379.5 864.68,-2336.5 905.32,-2336.5 925.51,-2356.69 1001.01,-2356.69 1033.21,-2324.5 1103.29,-2324.5 1110.29,-2331.5 1169.29,-2331.5 1172.29,-2328.5 1209.71,-2328.5 1214.39,-2333.18 1289.06,-2333.18 1302.74,-2319.5 1341.26,-2319.5 1348.26,-2326.5 2013.71,-2326.5 2015.71,-2328.5 2198.71,-2328.5 2201.71,-2325.5 2245.68,-2325.5 2259.68,-2311.5 2278.32,-2311.5 2294.82,-2328 v1(2318,-2328)
F_CS: U6.1 U9.10 | length 572.5
  Top Layer w6: U6.1@-35,-1332.75 -35.5,-1332.25 -35.5,-1135.5 v1(-35,-1135) ; U9.10@196.43,-1105.81 232.81,-1142.19 v1(247.18,-1142.19)
  Bottom Layer w6: v1(-35,-1135) -21.81,-1148.19 25.52,-1148.19 35.71,-1138 80.55,-1138 102.74,-1160.19 141.26,-1160.19 153.26,-1148.19 241.18,-1148.19 v1(247.18,-1142.19)
FPGA_MODE1: J16.1 R32.2 U5.60 U9.12 | length 2259.9
  Top Layer w6: v1(122,-1113.69) 122,-1109.69 144.64,-1109.69 U9.12@168.6,-1133.65 ; v1(1814,-1108) 1813.5,-1108.5 v1(1813.5,-1294.39) U5.60@1896.43,-1377.32 1941.03,-1421.91 R32.2@1941.03,-1437.51
  Bottom Layer w6: v1(122,-1113.69) 128.19,-1107.5 216.1,-1107.5 234.1,-1089.5 301.74,-1089.5 313.74,-1101.5 457.4,-1101.5 459.71,-1099.19 488.29,-1099.19 490.6,-1101.5 568.48,-1101.5 572.48,-1097.5 738.29,-1097.5 738.69,-1097.9 745.92,-1097.9 798.32,-1045.5 983.26,-1045.5 1015.26,-1077.5 1096.3,-1077.5 1105.3,-1086.5 1309.17,-1086.5 1309.3,-1086.37 1475.55,-1086.37 1505.68,-1116.5 1524.32,-1116.5 1532.82,-1108 v1(1814,-1108) ; J16.1@1769,-1294.39 v1(1813.5,-1294.39) v1@1818.39,-1289.5
FPGA_RX: U1.17 U5.35 | length 2822.3
  Top Layer w6: v1(-407,-2348) -411,-2352 -405.25,-2352 -387.7,-2369.55 -376.16,-2369.55 -362.24,-2355.63 U1.17@-362.24,-2346.77 ; v1(-224,-1791) -234.69,-1801.69 -234.69,-2012.2 -232.27,-2014.63 -232.27,-2019.36 -183.8,-2067.83 -183.8,-2216.21 -193,-2225.41 -193,-2336.33 v1(-196.17,-2339.5) ; U5.35@1453.8,-1683.55 1473.23,-1664.11 1488.84,-1664.11 1501.07,-1676.34 1501.07,-1683.79 1482.71,-1702.15 1482.71,-1725.29 v1(1480,-1728)
  Bottom Layer w6: v1(-407,-2348) -398,-2357 -277.99,-2357 -274.49,-2360.5 -226,-2360.5 -205,-2339.5 v1(-196.17,-2339.5) ; v1@-224,-1786.51 -93.33,-1786.51 -80.32,-1773.5 -61.68,-1773.5 -59.68,-1775.5 69.47,-1775.5 80.48,-1786.51 91.73,-1786.51 116.72,-1786.49 137.71,-1765.5 166.29,-1765.5 179.29,-1778.5 241.73,-1778.5 259.72,-1796.49 288.3,-1796.49 298.28,-1786.51 308,-1786.51 ; 308,-1786 325.18,-1786 342.68,-1768.5 426.77,-1768.5 426.91,-1768.35 464.12,-1768.35 478.26,-1782.5 622.32,-1782.5 637.32,-1767.5 660.29,-1767.5 665.29,-1772.5 710.74,-1772.5 723.74,-1759.5 751.71,-1759.5 769.71,-1741.5 798.29,-1741.5 808.29,-1751.5 814.06,-1751.5 823.06,-1760.5 872.26,-1760.5 887.76,-1776 953.18,-1776 965.68,-1788.5 984.32,-1788.5 1002.82,-1770 1104.33,-1770 1112.83,-1761.5 1186.07,-1761.5 1193.98,-1753.6 1275.58,-1753.6 1282.61,-1746.57 1284.68,-1744.5 1314.68,-1744.5 1320.68,-1738.5 1430.26,-1738.5 1443.31,-1725.45 1477.45,-1725.45 v1(1480,-1728)